# KiCad board jetson-orin-baseboard.kicad_pcb (continued)
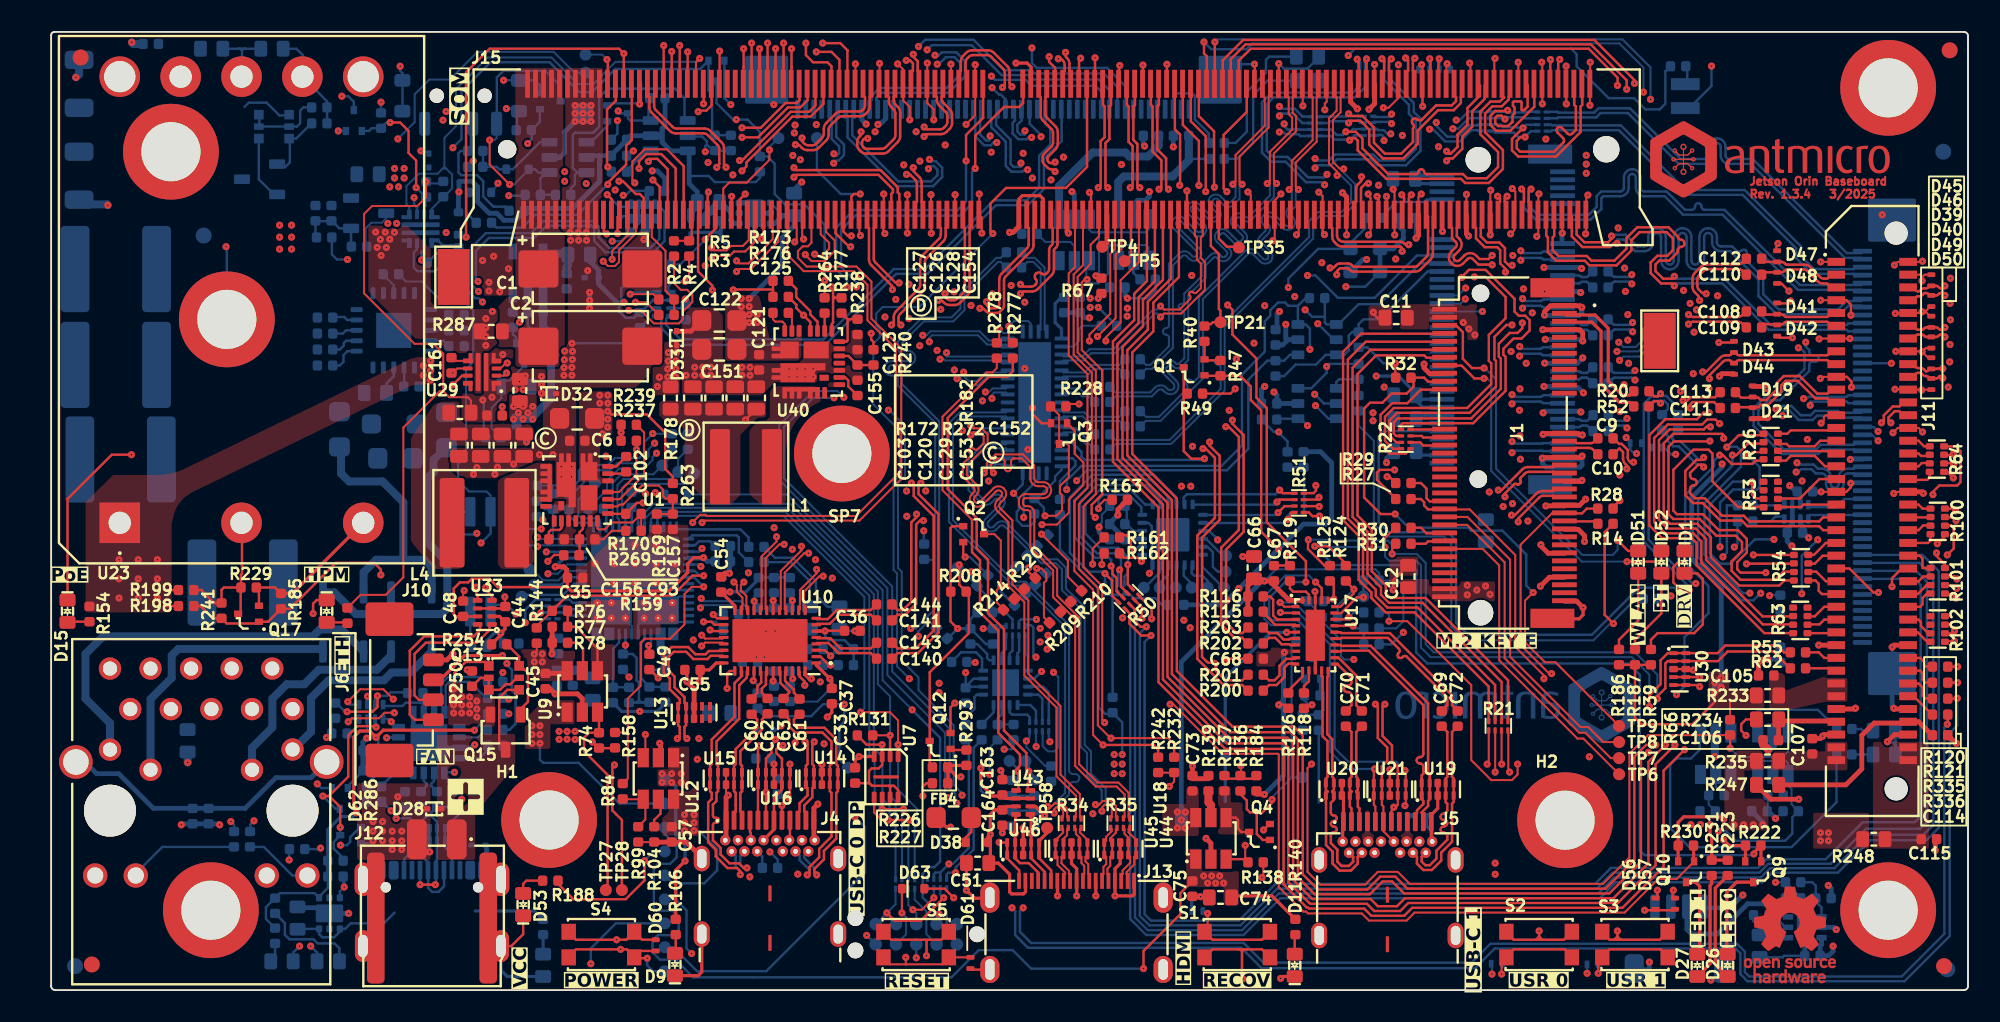
[diagram p0: board, top side]
## Routing (per net, layer and track width the routed paths; a pad name or vN(x,y) marks a point on that pad's centre or on a via; arc(x,y) is an arc through that point) (continued)
PCIE3_CLKREQ*: length 124.5
  Top w0.15: v1(119.08,33.58) 119,33.5 118.5,33.5 ; v1(38.35,59.15) 38.35,59.15 38.35,57.65 38.35,57.65 38.35,57.57
  In5.Cu w0.125: v1(109.59,24.82) 108.54,23.77 106.3,23.77 104.1,21.57 97.67,21.57 93.55,17.45 69.83,17.45 62.64,24.64 62.64,29.87 61.84,30.67 61.84,44.21 61.35,44.7 49.5,44.7 48.35,45.85 48.35,48.15 48.18,48.32 45.88,48.32 43.68,50.52 43.68,55.16 41.94,56.9 38.65,56.9 38.35,57.2 v1(38.35,59.15)
  In5.Cu w0.15: v1(119.08,33.58) 118.56,33.58 113.18,28.2 v1(110.59,28.2)
  Bottom w0.15: v1(110.59,28.2) 109.59,27.2 v1(109.59,24.82)
PCIE3_RST*: length 124.7
  Top w0.15: v1(117.8,31.03) 117.8,31.2 118.2,31.6 119.32,31.6 119.53,31.8 119.53,33.75 119.22,34.05 118.5,34.05 ; 38.85,56.74 38.85,57.82 38.85,57.82 v1(38.85,58.77)
  In5.Cu w0.125: v1(38.85,58.77) 38.85,57.42 39.08,57.2 42.05,57.2 43.97,55.28 43.97,50.63 46,48.6 48.3,48.6 48.65,48.25 48.65,45.95 49.65,44.95 61.55,44.95 62.1,44.4 62.1,30.77 62.89,29.98 62.89,24.79 69.33,18.35 94,18.35 97.55,21.9 104,21.9 106.16,24.06 107.63,24.06 109.4,25.83 109.4,26.48 110.32,27.4 114.53,27.4 117.8,30.67 v1(117.8,31.03)
PCIE_WAKE*: length 129.8
  Top w0.15: R14.1 97.25,28.67 97.25,23.5 v1(97.8,22.95) ; 49.85,56.74 49.85,58.85 49.85,58.85 49.4,59.3 v1(48.3,59.3)
  In5.Cu w0.125: v1(97.8,22.95) 97.3,22.95 94.6,20.25 93.1,20.25 92.65,19.8 70,19.8 64.14,25.66 64.14,31.36 63.63,31.87 63.63,45.57 62.6,46.6 51.9,46.6 48.75,49.75 46.45,49.75 45.65,50.55 45.65,54.43 46.32,55.1 46.32,56.97 47.45,58.1 47.45,58.9 47.85,59.3 v1(48.3,59.3)
  Bottom w0.125: v1(97.8,22.95) 97.6,22.95 96.55,21.9 88.5,21.9 87.65,22.75 87.65,27.95 87.2,28.4 83.6,28.4 82.8,29.2 82.8,34.4 81.85,35.35 81.85,36.27
  Bottom w0.15: v1(97.8,22.95) 97.8,23.1 99.2,24.5 99.66,24.5
PCIE_WAKE_SEL_EXT: length 25.4
  Top w0.15: 118.5,33 119,33 v1(119.1,32.9)
  In5.Cu w0.15: v1(101.4,24.68) 101.73,24.35 102.75,24.35 103.95,25.55 103.95,28 104.2,28.25 105.5,28.25 105.9,27.85 106.9,27.85 107.8,26.95 109.1,26.95 109.93,27.78 113.25,27.78 118.38,32.9 v1(119.1,32.9)
  Bottom w0.125: v1(101.4,24.68) 101.22,24.5 100.63,24.5
PDC_MISO: length 39.1
  Top w0.125: v1(52.52,15.95) R131.1
  Top w0.15: U7.2 v1(52.52,15.95)
  Bottom w0.125: R204.5 52.86,11.81 52.52,12.15 52.52,18.39 51.75,19.16 51.75,24.97 46.27,30.45 37.7,30.45 36.75,29.5 36.75,29
PDC_MOSI: length 39.1
  Top w0.15: U7.5 51.52,11.13 52,10.65 v1(52.4,10.65) v1(53.73,10.65)
  Bottom w0.125: R204.7 53.66,10.58 v1(53.73,10.65) ; v1(52.4,10.65) 52.49,10.74 52.49,11.53 52.04,11.98 52.04,14.6 51.5,15.14 51.5,24.81 46.11,30.2 37.85,30.2 37.15,29.5 U6.37
PDC_SCLK: length 36.7
  Top w0.15: v1(53.36,11.33) v1(52.02,11.33) U7.6
  Bottom w0.125: v1(53.36,11.33) 53.26,11.23 R204.6 ; U6.38 37.55,29.5 38,29.95 45.97,29.95 51.22,24.69 51.22,14.77 51.55,14.44 51.55,11.8 52.02,11.33 v1(52.02,11.33)
POE_OUTPUT: length 3.2
  Bottom w0.15: 14.89,54.78 14.29,54.78 13.49,55.58 12.38,55.58 12.1,55.3
POWER_EN: length 5.8
  Top w0.15: 35.35,56.74 35.35,55.7 34.8,55.15 34.8,51.6 v1(34.85,51.55)
  Bottom w0.15: v1(34.85,51.55) 34.85,51.47 35.06,51.25
PWR_SOFT: length 46.2
  In3.Cu w0.125: v1(28.65,18.22) 27.42,19.45 23.35,19.45 23.05,19.75 23.05,31.14 22.51,31.68 22.51,45.89 28.11,51.49 28.88,51.49 29.84,52.44 v1(29.84,53.02)
  Bottom w0.15: Q7.1 30.6,54.38 30.08,53.86 30.08,53.26 v1(29.84,53.02) ; v1(28.65,18.22) 28.57,18.3 28.19,18.3
SCL_CAM: length 54.2
  Top w0.125: 65.92,27.35 65.78,27.21 v1(65.78,26.65)
  Top w0.15: v1(40.51,55.01) 40.57,55.08 41.02,55.08 41.35,55.41 41.35,56.74
  In3.Cu w0.125: 65.75,26.6 65.17,26.02 64.99,26.02 63.87,27.14 60.52,27.14 58.18,24.8 56.7,24.8 55.23,26.27 50.3,26.27 47.29,29.28 46.72,29.28 42.35,33.65 42.35,39.65 40.67,41.33 40.67,44.69 40.22,45.14 40.22,54.72 40.51,55.01 v1(40.51,55.01)
SDA_CAM: length 54.7
  Top w0.125: 65.92,28.35 65.2,27.64 v1(65.2,26.67)
  Top w0.15: v1(40.84,55.5) 40.85,55.51 40.85,56.74
  In3.Cu w0.125: v1(65.2,26.67) 64.38,27.5 60.52,27.5 58.07,25.05 56.85,25.05 55.32,26.58 50.38,26.58 47.43,29.53 46.87,29.53 42.65,33.75 42.65,39.71 40.94,41.42 40.94,44.78 40.54,45.18 40.54,54.24 40.75,54.45 41.35,54.45 41.55,54.65 41.55,55.25 41.3,55.5 v1(40.84,55.5)
SPI1_MISO: length 104.1
  Top w0.15: v1(119.25,24.54) 118.99,24.8 118.65,24.8 ; 69.6,48.54 69.6,44.47 68.35,43.22 68.35,41.56 67.07,40.28 67.07,33.33 69.88,30.52 69.88,19.62 73.7,15.8 77.4,15.8 77.75,15.45 77.75,6.9 78.95,5.7 82.6,5.7 83.05,5.25 84.25,5.25 84.75,5.75 97.8,5.75 99.99,7.94 99.99,14.29 v1(101.05,15.35)
  In5.Cu w0.15: v1(119.25,24.54) 116.14,24.54 109.67,18.07 106.07,18.07 103.97,15.97 101.27,15.97 101.05,15.75 v1(101.05,15.35)
SPI1_MOSI: length 103.9
  Top w0.15: v1(119.28,25.15) 119.1,25.33 118.63,25.33 ; 70.6,48.54 70.6,44.65 69,43.05 69,41.25 67.68,39.93 67.68,33.57 70.47,30.78 70.47,19.98 73.95,16.5 77.8,16.5 78.35,15.95 78.35,7.25 79.3,6.3 82.4,6.3 83.2,7.1 84.15,7.1 84.9,6.35 97.31,6.35 99.11,8.15 99.11,14.61 99.85,15.35 v1(100.45,15.35)
  In5.Cu w0.15: v1(100.45,15.35) 100.45,16.05 100.75,16.35 103.75,16.35 106.03,18.63 109.73,18.63 116.25,25.15 v1(119.28,25.15)
SPI1_SCK: length 105.2
  Top w0.15: R101.7 119.15,25.9 v1(119.31,25.74) ; v1(99.99,14.89) 99.52,14.42 99.52,8.03 97.54,6.05 84.7,6.05 83.95,6.8 83.35,6.8 82.55,6 79.1,6 78.05,7.05 78.05,15.7 77.6,16.15 73.8,16.15 70.16,19.79 70.16,30.69 67.37,33.48 67.37,40.07 68.65,41.35 68.65,43.1 70.1,44.55 70.1,48.54
  In5.Cu w0.15: v1(99.99,14.89) 99.99,16.33 100.38,16.72 103.52,16.72 105.91,19.11 109.76,19.11 116.39,25.74 v1(119.31,25.74)
SPIO_MISO: length 74
  Top w0.15: 73.35,56.74 73.35,58.23 74.62,59.5 96.6,59.5 99.12,56.98 v1(99.12,56.78) ; v1(103.87,35.27) 103.62,35.27 103.46,35.11 101.32,35.11 100.65,34.44 100.65,29.44 101.19,28.9 102.95,28.9 103.6,28.25 103.6,26.94 107.14,23.4 109.05,23.4
  In3.Cu w0.15: v1(103.87,35.27) 103.87,35.28 103.32,35.83 103.32,36.32 104.89,37.89 104.89,49.47 99.12,55.24 v1(99.12,56.78)
SPIO_MOSI: length 75.2
  Top w0.15: 98.06,56.68 98.06,57.14 96.25,58.95 75.1,58.95 74.74,58.59 74.73,58.59 74.35,58.21 74.35,56.74 ; 109.1,25.65 108.5,25.65 108.18,25.33 105.67,25.33 103.9,27.1 103.9,28.35 103.05,29.2 101.33,29.2 100.95,29.58 100.95,34.24 101.54,34.83 104.61,34.83 104.7,34.74 v1(104.7,34.55)
  In3.Cu w0.15: v1(98.05,56.65) 98.05,56.9 98.74,57.59 99.85,57.59 100.91,56.53 100.91,55.42 106.14,50.19 106.14,35.57 105.12,34.55 v1(104.7,34.55)
SPIO_SCK: length 75.1
  Top w0.15: 109.1,26.2 108.44,26.2 107.93,25.69 105.76,25.69 105.2,26.25 105.2,26.85 105.85,27.5 105.85,28.05 105.45,28.45 104.25,28.45 103.2,29.5 101.54,29.5 101.25,29.79 101.25,34.03 101.58,34.36 103.82,34.36 v1(103.84,34.38) ; 73.85,56.74 73.85,58.3 74.78,59.22 96.38,59.22 98.63,56.97 v1(98.63,56.41)
  In3.Cu w0.15: v1(98.63,56.41) 98.63,56.99 98.89,57.25 99.61,57.25 100.55,56.31 100.55,55.31 105.86,50 105.86,36.05 104.8,34.99 104.45,34.99 v1(103.84,34.38)
SYS_SCL: length 226.6
  Top w0.13: R31.2 83.95,27.73 v1(83.95,27.31)
  Top w0.15: v1(78.7,28.2) 78.68,28.18 78.68,27.62 79.71,26.58 80.05,26.58 ; v1(100.55,18.25) 100.55,18.4 101.05,18.9 101.05,20.45 101.2,20.6 U30.9 104.35,20.6 104.95,21.2 107.81,21.2 108.87,20.15 ; v1(43.25,51.3) 43.53,51.58 43.53,51.83 46.4,54.7 47.55,54.7 48.35,55.5 48.35,56.74
  In3.Cu w0.125: v1(100.55,18.25) 100.55,17.65 98.95,16.05 98.95,10.35 arc(97.81,7.59) 95.05,6.45 93.75,6.45 92.55,5.25 78.35,5.25 75.85,7.75 57.02,7.75 v1(56.62,7.35) 53.95,7.35 52.35,5.75 37.15,5.75 35.7,7.2 35.7,15 32.05,18.65 32.05,28.57 31.74,28.88 30.7,28.88 29.7,29.88 29.7,30.5 29.45,30.75 26.43,30.75 25.04,32.14 25.04,34.05 26.14,35.15 30.2,35.15 31.3,36.25 31.3,49.8 v1(32.15,50.65)
  In5.Cu w0.125: v1(30.68,28.88) 30.68,28.77 30.73,28.72 38.88,28.72 39.75,27.85 39.75,24.35 40.17,23.93 v1(40.65,23.93)
  In5.Cu w0.15: v1(43.25,51.3) 43.1,51.3 42.65,51.75 42.65,51.95 41.55,53.05 35.17,53.05 32.77,50.65 v1(32.15,50.65)
  Bottom w0.125: 43.08,23.55 42.53,24.1 40.82,24.1 v1(40.65,23.93) ; v1(78.7,28.2) 78.71,28.21 79.92,28.21 79.97,28.15 83.67,28.15 83.95,27.87 v1(83.95,27.31) 85.49,27.31 86.05,26.75 86.05,21.65 86.55,21.15 99.15,21.15 100.55,19.75 v1(100.55,18.25) ; R70.1 29.39,29.12 29.63,28.88 v1(30.68,28.88)
  Bottom w0.15: 58.25,15.67 57.75,15.17 57.75,8.8 56.62,7.67 v1(56.62,7.35) 56.17,7.35 56.06,7.24 R112.8
SYS_SDA: length 226.9
  Top w0.13: 84.14,28.95 83.5,28.31 v1(83.5,27.74)
  Top w0.15: 81.05,26.58 81.05,26.7 79.96,27.79 v1(79.11,27.79) ; 47.85,56.74 47.85,55.4 47.45,55 46.3,55 43.25,51.95 v1(43.1,51.95) ; 108.87,21.15 108.47,21.15 108.05,21.58 104.8,21.58 104.32,21.1 U30.10 101.2,21.1 100.75,20.65 100.75,19.15 100.05,18.45 v1(100.05,17.75)
  In3.Cu w0.125: v1(100.05,17.75) 98.65,16.35 98.65,10.45 arc(97.57,7.83) 94.95,6.75 93.55,6.75 92.35,5.55 78.45,5.55 75.95,8.05 56.35,8.05 v1(56.2,7.9) 54.1,7.9 52.25,6.05 37.25,6.05 36,7.3 36,15.1 32.35,18.75 32.35,28.69 31.82,29.22 31.01,29.22 v1(30.78,29.45) 30.63,29.45 30,30.08 30,30.62 29.59,31.03 26.54,31.03 25.31,32.25 25.31,33.95 26.1,34.73 30.33,34.73 31.65,36.05 31.65,49.55 32.6,50.5 32.6,50.8 32.15,51.25 v1(32.15,51.25)
  In5.Cu w0.125: v1(40.7,24.53) 40.37,24.53 40.15,24.75 40.15,27.85 39.02,28.98 31.23,28.98 30.78,29.43 v1(30.78,29.45)
  In5.Cu w0.15: v1(43.1,51.95) 41.7,53.35 34.88,53.35 32.77,51.25 v1(32.15,51.25)
  Bottom w0.125: R71.1 30.58,29.65 v1(30.78,29.45) ; 43.08,22.55 43.65,23.11 43.65,23.85 43.15,24.35 40.87,24.35 v1(40.7,24.53) ; v1(100.05,17.75) 100.05,19.75 98.95,20.85 86.35,20.85 85.75,21.45 85.75,26.6 85.45,26.9 83.75,26.9 83.5,27.15 v1(83.5,27.74) 83.49,27.75 79.95,27.75 79.8,27.9 79.21,27.9 v1(79.11,27.79)
  Bottom w0.15: 55.66,7.36 v1(56.2,7.9) 56.45,7.9 57.45,8.9 57.45,15.47 57.25,15.67 ; 55.66,7.36 55.36,7.36 55.26,7.26 R112.6 ; 55.66,7.36 R112.7
UART0_CTS: length 50.8
  Top w0.15: v1(70.65,50.4) 70.67,50.42 70.67,53.58 70.35,53.9 70.35,56.74 ; v1(92.1,41.78) 92.1,41.45 91.8,41.15 91.3,41.15 90.62,40.47 90.62,39.67 90.75,39.55 90.75,37.65 88.9,35.8 84.3,35.8 84.05,35.55 84.05,34.85 84.2,34.7 84.5,34.7
  In5.Cu w0.15: v1(70.65,50.4) 70.75,50.4 71.67,51.33 72.08,51.33 74.05,53.3 77.25,53.3 77.9,53.95 79.9,53.95 81.1,52.75 82.95,52.75 84.05,51.65 85.9,51.65 89.6,47.95 89.6,45.22 90.3,44.53 90.92,44.53 91.55,43.9 91.55,42.33 v1(92.1,41.78)
UART0_RTS: length 49.9
  Top w0.15: 84.5,34.3 84.21,34.3 83.78,34.74 83.78,35.66 84.26,36.15 88.8,36.15 90.45,37.8 90.45,39.4 90.35,39.5 90.35,40.9 91.1,41.65 v1(91.45,41.65) ; v1(71.85,50.39) 71.85,53.17 70.85,54.18 70.85,56.74
  In5.Cu w0.15: v1(91.45,41.65) 91.1,42 91.1,43.88 90.72,44.25 90.11,44.25 89.2,45.16 89.2,47.39 88.89,47.7 88.45,47.7 86.85,49.3 86.85,50.25 85.75,51.35 83.9,51.35 82.8,52.45 80.95,52.45 79.75,53.65 78.05,53.65 77.4,53 74.2,53 72.2,51 71.97,51 71.85,50.88 v1(71.85,50.39)
UART0_RXD: length 49.6
  Top w0.15: 71.35,56.74 71.35,54.4 72.28,53.47 72.28,50 v1(72.28,50) ; v1(89.1,44.66) 89.79,44.66 91.05,43.4 91.05,42.08 90,41.03 90,39.4 90.15,39.25 90.15,37.95 88.65,36.45 84.05,36.45 83.5,35.9 83.5,34.4 84,33.9 84.5,33.9
  In5.Cu w0.15: v1(89.1,44.66) 88.76,45 88.76,46.59 88,47.35 88,47.75 86.55,49.2 86.55,50.15 85.65,51.05 83.8,51.05 82.67,52.17 80.78,52.17 79.6,53.35 78.15,53.35 77.5,52.7 74.47,52.7 72.28,50.5 v1(72.28,50)
UART0_TXD: length 48.5
  Top w0.15: v1(72.83,50.28) 72.8,50.3 72.8,53.78 71.85,54.73 71.85,56.74 ; v1(88.31,44.62) 88.31,44.66 88.75,45.1 89.8,45.1 91.61,43.29 91.61,42.49 91.87,42.23 92.28,42.23 92.55,41.96 92.55,41.3 92.05,40.8 91.55,40.8 90.91,40.16 90.91,39.79 91.05,39.65 91.05,37.53 89.02,35.5 84.6,35.5 84.5,35.4 84.5,35.1
  In5.Cu w0.15: v1(88.31,44.62) 88.31,46.64 87.7,47.25 87.7,47.6 86.25,49.05 86.25,50.05 85.53,50.78 83.67,50.78 82.55,51.9 80.6,51.9 79.45,53.05 78.27,53.05 77.62,52.4 74.7,52.4 72.83,50.53 v1(72.83,50.28)
UART1_RXD: length 137.3
  Top w0.15: 107.2,30.25 105.6,30.25 104,31.85 104,33.6 103.76,33.84 102.81,33.84 101.55,32.58 101.55,30.03 101.78,29.8 103.4,29.8 104.4,28.8 105.6,28.8 106.15,28.25 106.15,27.4 105.55,26.8 105.55,26.35 105.76,26.14 v1(107.34,26.14) ; 43.35,56.74 43.35,57.8 43.35,57.8 v1(43.35,58.95)
  In3.Cu w0.125: v1(107.34,26.14) 106.84,25.64 105.98,25.64 95.54,15.2 78.45,15.2 76.11,17.55 76.11,19.59 71.4,24.3 60.95,24.3 59.95,23.3 55.8,23.3 54.65,24.45 47.95,24.45 42.97,29.42 42.97,30.1 40.25,32.83 40.25,35.19 38.89,36.55 37.4,36.55 36.65,37.3 36.65,40.44 38.3,42.09 38.3,49.91 38.6,50.21 38.6,56.25 39.8,57.45 43.01,57.45 43.35,57.79 v1(43.35,58.95)
UART1_TXD: length 134.2
  Top w0.15: v1(118.7,27.25) 119.1,27.65 119.1,28.92 118.93,29.1 118.55,29.1 ; v1(43.85,59.3) 43.85,57.8 43.85,57.8 43.85,56.74
  In3.Cu w0.125: v1(43.85,59.3) 43.85,57.63 43.39,57.17 39.97,57.17 38.85,56.05 38.85,50.11 38.55,49.81 38.55,41.97 36.9,40.32 36.9,37.4 37.5,36.8 38.99,36.8 40.55,35.24 40.55,32.97 43.29,30.23 43.29,29.51 48.05,24.75 54.75,24.75 55.95,23.55 59.85,23.55 60.9,24.6 71.5,24.6 76.4,19.7 76.4,17.65 78.55,15.5 95.42,15.5 105.86,25.94 106.46,25.94 107.32,26.8 107.32,28.3 107.84,28.83 116.22,28.83 116.93,28.12 116.93,27.35 117.32,26.95 118.4,26.95 v1(118.7,27.25)
USB0_D_N: length 59.6
  Top w0.13: 84.3,12.06 84.3,11.6 84.2,11.5 ; 84.2,11.5 83.9,11.2 J5.A7 ; 84.2,11.5 84.15,11.45 v1(84.05,11.45) ; 84.3,12.96 84.3,12.19
  Top w0.155: 69.35,56.74 69.35,55.43 69.25,55.33 69.25,52.64 69.8,52.09 69.8,50.29 v1(69.94,50.15) ; v1(83.5,17.9) 83.35,17.75 83.35,15.91 83.94,15.32 83.94,14.35 84.24,14.05 84.25,14.05 84.3,14 84.3,12.96
  In3.Cu w0.13: J5.B7 83.25,10.05 84.05,10.85 v1(84.05,11.45)
  In3.Cu w0.16: v1(83.5,17.9) 83.35,18.05 83.35,18.56 81.76,20.15 80.94,20.15 79.14,21.95 77.06,21.95 76.35,22.66 76.35,24.48 74.53,26.3 73.99,26.3 71.2,29.09 71.2,31.41 v1(71.34,31.55)
  In5.Cu w0.16: v1(71.34,31.55) 71.2,31.69 71.2,33.51 70.9,33.81 70.9,38.79 73,40.89 73,43.24 72.22,44.01 72.22,47.91 70.61,49.52 70.01,49.52 69.8,49.74 69.8,50 v1(69.94,50.15)
USB0_D_P: length 58.4
  Top w0.13: 83.3,12.19 U21.9 ; 83.3,12.06 83.3,11.6 83.4,11.5 J5.A6 83.4,9.95 J5.B6
  Top w0.155: U21.9 83.3,14 83.5,14.2 83.5,14.21 83.64,14.35 83.64,15.2 83.05,15.79 83.05,17.75 v1(82.9,17.9) ; 68.85,56.74 68.85,55.43 68.95,55.33 68.95,52.52 69.5,51.96 69.5,50.29 v1(69.36,50.15)
  In3.Cu w0.16: v1(82.9,17.9) 83.05,18.05 83.05,18.44 81.64,19.85 80.82,19.85 79.02,21.65 76.94,21.65 76.05,22.54 76.05,24.36 74.41,26 73.87,26 70.9,28.97 70.9,31.41 v1(70.76,31.55)
  In5.Cu w0.16: v1(69.36,50.15) 69.5,50 69.5,49.61 69.89,49.23 70.49,49.23 71.93,47.79 71.93,43.89 72.7,43.11 72.7,41.01 70.6,38.91 70.6,33.69 70.9,33.39 70.9,31.69 v1(70.76,31.55)
USB1_D_N: length 90.8
  Top w0.155: v1(68.15,50.25) 68,50.4 68,52.99 67.75,53.24 67.75,55.33 67.85,55.43 67.85,56.74 ; v1(100.75,36.75) 100.67,36.75 100.55,36.88 100.36,36.88 100.03,36.55
  In5.Cu w0.16: v1(102.96,25.46) 102.75,25.46 101.81,26.4 96.09,26.4 91.49,21.8 88.41,21.8 82.85,27.36 82.85,31.36 79.71,34.5 74.79,34.5 72.3,32.01 72.3,31.31 71.99,31 69.81,31 69,31.81 69,32.99 70,33.99 70,39.49 70.9,40.39 70.9,41.78 arc(70.99,41.99) 71.2,42.08 71.35,42.08 arc(71.56,42.17) 71.65,42.38 arc(71.56,42.59) 71.35,42.68 71.2,42.68 arc(70.99,42.77) 70.9,42.98 70.9,47.99 70.16,48.72 68.64,48.72 68,49.36 68,50.1 v1(68.15,50.25)
  Bottom w0.155: v1(102.96,25.46) 102.75,25.46 100,28.21 100,36.59 100.31,36.9 100.6,36.9 v1(100.75,36.75) 100.9,36.9 100.99,36.9 101.2,36.69 101.2,36.39 100.85,36.03
USB1_D_P: length 91.4
  Top w0.155: v1(100.75,37.35) 100.58,37.17 100.36,37.17 100.03,37.5 ; v1(67.55,50.25) 67.7,50.4 67.7,52.86 67.45,53.12 67.45,55.33 67.35,55.43 67.35,56.74
  In5.Cu w0.16: v1(102.54,25.04) 102.54,25.25 101.69,26.1 96.21,26.1 91.61,21.5 88.29,21.5 82.55,27.24 82.55,31.24 79.59,34.2 74.91,34.2 72.6,31.89 72.6,31.19 72.11,30.7 69.69,30.7 68.7,31.69 68.7,33.11 69.7,34.11 69.7,39.61 70.6,40.51 70.6,47.86 70.04,48.43 68.51,48.43 67.7,49.24 67.7,50.1 v1(67.55,50.25)
  Bottom w0.155: v1(102.54,25.04) 102.54,25.25 99.7,28.09 99.7,36.71 100.19,37.2 100.6,37.2 v1(100.75,37.35) 100.9,37.2 101.11,37.2 101.5,36.81 101.5,36.39 101.85,36.03
USB2_D_N: length 96.4
  Top w0.155: 66.35,56.74 66.35,55.43 66.25,55.33 66.25,53.29 66,53.04 66,50.4 v1(66.15,50.25) ; J4.A7 45.25,12.05 45.75,12.55 45.75,14.49 45.39,14.85 45.39,15.07 45.64,15.32 v1(45.81,15.32)
  Top w0.2: 44.6,9.4 45.25,10.05 J4.A7
  In3.Cu w0.16: v1(55.59,18.63) 55.73,18.77 67.2,18.77 71.12,22.69 v1(71.3,22.69)
  In5.Cu w0.16: v1(71.3,22.69) 71.3,22.88 74.56,26.14 80.07,26.14 81.26,27.33 81.26,31.43 79.19,33.5 75.69,33.5 73.6,31.41 73.6,31.01 72.69,30.1 69.51,30.1 68.1,31.51 68.1,33.39 69.1,34.39 69.1,39.89 70.22,41.01 70.22,46.04 66.79,49.47 66.31,49.47 66,49.79 66,50.1 v1(66.15,50.25) ; v1(55.59,18.63) 55.44,18.77 49.04,18.77 45.81,15.54 v1(45.81,15.32)
USB2_D_P: length 98.3
  Top w0.155: J4.A6 v1(44.75,12.4) ; 44.75,12.86 U16.9 44.75,14.5 45.09,14.85 45.09,15.35 45.35,15.61 v1(45.35,15.7) ; 65.85,56.74 65.85,55.43 65.95,55.33 65.95,53.41 65.7,53.16 65.7,50.4 v1(65.55,50.25)
  Top w0.2: v1(44.75,12.4) 44.75,12.86
  In3.Cu w0.16: v1(55.59,19.21) 55.73,19.07 67.08,19.07 70.91,22.9 v1(70.91,23.16)
  In5.Cu w0.16: v1(55.59,19.21) 55.44,19.07 48.9,19.07 45.53,15.7 v1(45.35,15.7) ; v1(70.91,23.16) 71.16,23.16 74.44,26.44 75.17,26.44 arc(75.29,26.49) 75.33,26.6 arc(75.38,26.72) 75.5,26.77 75.6,26.77 arc(75.72,26.72) 75.77,26.6 arc(75.82,26.49) 75.93,26.44 79.95,26.44 80.96,27.45 80.96,31.31 79.07,33.2 75.81,33.2 73.9,31.29 73.9,30.89 72.81,29.8 69.39,29.8 67.8,31.39 67.8,33.51 68.8,34.51 68.8,40.01 69.93,41.14 69.93,45.91 66.66,49.18 66.19,49.18 65.7,49.66 65.7,50.1 v1(65.55,50.25)
  In5.Cu w0.2: v1(44.75,12.4) 44.75,10.1 45.4,9.45
USB_FLASH_ID: length 42.4
  Top w0.15: v1(73.65,42.9) 73.95,42.6 73.95,41.05 75.45,39.55 75.45,37.1 76.1,36.45 76.1,29.3 78.55,26.85 v1(78.55,25.55) ; v1(73.6,50) 73.4,50.2 73.4,53.55 74.85,55 74.85,56.74
  In5.Cu w0.15: v1(73.65,42.9) 73.6,42.95 v1(73.6,50)
  Bottom w0.15: 78.95,20.8 78.95,22.25 78.05,23.15 76.45,23.15 76.25,23.35 76.25,24.55 77.25,25.55 v1(78.55,25.55)
USBC0_FLG: length 30.9
  Top w0.125: 37.2,14.55 v1(37.2,16)
  In5.Cu w0.125: v1(37.2,16) 37.4,16.2 42.55,16.2 45.35,13.4 55.8,13.4 57.05,14.65 60.75,14.65 61.05,14.95 v1(61.05,15.6)
  Bottom w0.125: 61.25,16.2 61.25,15.8 v1(61.05,15.6) 61.05,15.22 62.23,14.03 62.6,14.03
USBC1_FLG: length 21.9
  Top w0.125: 74.92,8 74.75,8.16 v1(74.75,9.06)
  Top w0.15: 74.97,8.19 74.97,8.2 U18.3
  In3.Cu w0.125: v1(61.66,15.25) 62.17,15.25 63.4,14.03 63.4,9.35 63.69,9.06 v1(74.75,9.06)
  Bottom w0.125: 61.65,16.2 61.65,15.26 v1(61.66,15.25)
USBC1_PEN: length 22.6
  Top w0.125: v1(74.47,14.05) 74.47,13.26 74.45,13.23
  Top w0.15: 75.45,13.23 73.45,13.23
  In5.Cu w0.15: v1(61.68,23.21) 61.66,23.21 61.25,22.8 61.25,21.85 61.83,21.28 62.33,20.78 62.67,20.78 68.75,14.7 74.35,14.7 74.47,14.58 v1(74.47,14.05)
  Bottom w0.15: v1(61.68,23.21) 60.71,23.21 60.58,23.08 60.58,22.8
USBC_HPD: length 72.9
  Top w0.125: 64.08,33.58 64.62,33.04 64.62,31.62 63.71,30.71 63.71,29.9 62.96,29.15 v1(62.03,29.15)
  Top w0.15: 64.08,33.58 64.08,35.02 Q3.1
  In3.Cu w0.15: v1(49.65,17.9) 49.65,22.55 49.26,22.94 45.56,22.94 44.47,24.03 44.47,25.3 43.65,26.12 ; v1(37.9,33.62) 38.11,33.41 38.11,31.9 39.26,30.75 39.26,29.14 39.85,28.55 41.15,28.55 43.58,26.12 43.65,26.12 ; 43.65,26.12 v1(43.65,26.13)
  In5.Cu w0.15: 43.65,26.12 44.58,25.2 57.39,25.2 60.88,28.69 v1(60.88,29.6) 61.58,29.6 v1(62.03,29.15)
  Bottom w0.125: v1(37.9,33.62) 37.65,33.37 37.65,33.19 37.12,32.66 35.56,32.66 34.8,31.9 34.8,31.34 R65.1
  Bottom w0.15: U36.19 61.82,32.02 60.88,31.08 v1(60.88,29.6) ; TP30.1 49.34,14.45 49.34,16.51 49.65,16.81 v1(49.65,17.9) 48.33,17.9 47.58,17.15 44.65,17.15 44.22,17.58 44.22,17.64
USBSS0_RX_N: length 54.3
  Top w0.155: 54.35,57.47 54.25,57.57 54.25,58.16 53.97,58.44 v1(53.97,58.6) ; v1(53.85,31.75) 54,31.6 54,30.94 55.25,29.69 55.25,22.51 54.14,21.4 52.99,21.4 52.64,21.75
  In3.Cu w0.16: v1(53.97,58.6) 53.81,58.6 53.3,59.11 49.4,59.11 48.1,57.81 48.1,57.11 43.9,52.91 43.9,48.06 43.4,47.56 43.4,45.99 44.75,44.64 44.75,43.04 49.09,38.7 50.69,38.7 54,35.39 54,31.9 v1(53.85,31.75)
USBSS0_RX_P: length 54.3
  Top w0.155: 52.64,20.75 52.99,21.1 54.26,21.1 55.55,22.39 55.55,29.81 54.3,31.06 54.3,31.6 v1(54.45,31.75) ; v1(53.53,58.22) 53.77,58.22 53.95,58.04 53.95,57.57 53.85,57.47
  In3.Cu w0.16: v1(54.45,31.75) 54.3,31.9 54.3,35.51 50.81,39 49.21,39 45.05,43.16 45.05,44.76 43.7,46.11 43.7,47.44 44.2,47.94 44.2,52.79 48.4,56.99 48.4,57.69 48.81,58.1 arc(48.93,58.15) 49.06,58.1 49.07,58.08 arc(49.2,58.03) 49.32,58.08 arc(49.37,58.21) 49.32,58.33 49.31,58.35 arc(49.25,58.47) 49.31,58.59 49.52,58.81 53.18,58.81 53.53,58.46 v1(53.53,58.22)
USBSS0_TX_N: length 44
  Top w0.155: 53.1,48.54 53.1,49.86 53,49.96 53,50.27 51.92,51.35 46.65,51.35 v1(46.5,51.5)
  Top w0.16: v1(54.17,29.8) 54.17,29.61 53.85,29.29 53.85,24.31 53.34,23.8 52.98,23.8 52.64,24.15
  In3.Cu w0.16: v1(46.5,51.5) 46.35,51.35 45.54,51.35 45.05,50.86 45.05,46.14 55.8,35.39 55.8,31.21 54.39,29.8 v1(54.17,29.8)
USBSS0_TX_P: length 44
  Top w0.155: 52.6,48.54 52.6,49.86 52.7,49.96 52.7,50.15 51.8,51.05 46.65,51.05 v1(46.5,50.9)
  Top w0.16: v1(54.61,29.4) 54.39,29.4 54.15,29.16 54.15,24.19 53.46,23.5 52.98,23.5 52.64,23.15
  In3.Cu w0.16: v1(54.61,29.4) 54.61,29.59 56.1,31.08 56.1,35.51 45.35,46.26 45.35,49.57 arc(45.41,49.71) 45.55,49.77 arc(45.69,49.83) 45.75,49.97 arc(45.69,50.11) 45.55,50.17 arc(45.41,50.23) 45.35,50.37 45.35,50.74 45.66,51.05 46.35,51.05 v1(46.5,50.9)
USBSS1_RX_N: length 48.8
  Top w0.155: v1(114.58,35.53) 114.73,35.67 114.73,35.99 115.29,36.55 115.7,36.55 115.95,36.8 ; v1(86.89,58.32) 86.85,58.27 86.85,56.74
  In5.Cu w0.16: v1(86.89,58.32) 86.75,58.47 86.75,58.58 87.05,58.88 93.35,58.88 93.55,59.08 94.73,59.08 95.03,58.78 97.76,58.78 103.49,53.05 106.81,53.05 111.37,48.5 arc(111.43,48.36) 111.37,48.21 111.35,48.2 arc(111.3,48.06) 111.35,47.92 arc(111.5,47.86) 111.64,47.92 111.65,47.93 arc(111.79,47.99) 111.93,47.93 114.35,45.51 114.35,36.21 114.73,35.84 114.73,35.67 v1(114.58,35.53)
  Bottom w0.155: v1(86.89,58.32) 86.9,58.31 86.9,58.07 ; 86.9,57.65 86.9,58.07 ; 86.9,58.07 86.89,58.08
USBSS1_RX_P: length 48.8
  Top w0.155: 86.35,56.74 86.35,58.27 v1(86.3,58.32) ; v1(115.17,35.53) 115.02,35.67 115.02,35.86 115.41,36.25 115.7,36.25 115.95,36
  In5.Cu w0.16: v1(86.3,58.32) 86.45,58.47 86.45,58.7 86.92,59.17 93.22,59.17 93.43,59.38 94.85,59.38 95.16,59.07 97.89,59.07 103.61,53.35 106.94,53.35 114.65,45.64 114.65,36.34 115.02,35.96 115.02,35.67 v1(115.17,35.53)
  Bottom w0.155: v1(86.3,58.32) 86.3,58.08 86.3,57.65
USBSS1_TX_N: length 42.1
  Top w0.155: v1(85.37,58.35) 85.25,58.23 85.25,57.57 85.35,57.47 ; 104.48,37.44 104.16,37.12 102.63,37.12 102.42,36.91 v1(102.16,36.91)
  In3.Cu w0.16: v1(102.16,36.91) 102.52,36.91 102.65,37.04 102.65,37.63 102.28,38 101.03,38 100.43,38.6 100.43,39.79 100.42,39.83 100.39,39.91 100.34,39.96 100.27,39.99 100.23,39.99 99.99,39.99 99.95,40 99.87,40.03 99.82,40.08 99.79,40.15 99.79,40.19 99.79,40.23 99.82,40.31 99.87,40.36 99.95,40.39 99.99,40.39 100.23,40.39 100.27,40.4 100.34,40.43 100.39,40.48 100.42,40.55 100.43,40.59 100.43,44.84 99.63,45.64 99.63,52.64 96.9,55.36 96.9,58.41 96.45,58.86 86.93,58.86 86.67,59.12 85.57,59.12 85.21,58.76 85.21,58.51 v1(85.37,58.35)
USBSS1_TX_P: length 42.1
  Top w0.155: 104.49,36.44 104.11,36.82 102.75,36.82 102.6,36.67 v1(102.6,36.45) ; 84.85,57.47 84.95,57.57 84.95,58.21 v1(84.79,58.37)
  In3.Cu w0.16: v1(102.6,36.45) 102.6,36.56 102.95,36.91 102.95,37.75 102.4,38.3 101.15,38.3 100.72,38.73 100.72,44.96 99.92,45.76 99.92,52.76 97.2,55.49 97.2,58.53 96.57,59.16 87.05,59.16 86.79,59.42 85.45,59.42 84.91,58.88 84.91,58.49 v1(84.79,58.37)
USBSS2_RX_N: length 55.7
  Top w0.155: 83.85,57.47 83.75,57.57 83.75,58.16 v1(83.89,58.31) ; 74.92,19.75 74.57,19.4 73.51,19.4 72.93,19.99 arc(72.87,20.13) 72.93,20.27 72.93,20.27 arc(72.99,20.41) 72.93,20.55 arc(72.79,20.61) 72.65,20.55 72.64,20.55 arc(72.5,20.49) 72.36,20.55 72.05,20.86 72.05,28.34 73.15,29.44 73.15,33.46 72.52,34.09 v1(72.52,34.32)
  In5.Cu w0.16: v1(72.52,34.32) 72.29,34.32 72,34.61 72,35.21 72.42,35.64 72.42,38.41 74.5,40.49 74.5,47.69 75.65,48.84 75.65,51.24 75.81,51.4 78.31,51.4 78.53,51.62 78.98,51.62 v1(79.12,51.48)
  Bottom w0.155: v1(79.12,51.48) 79.29,51.65 80.11,51.65 80.49,52.03 82.64,52.03 83.01,51.65 84.82,51.65 85.72,52.55 85.72,54.57 85.3,54.99 85.3,55.56 83.76,57.1 83.76,58.17 v1(83.89,58.31)
